# KiCad board jetson-agx-thor-baseboard.kicad_pcb (continued)
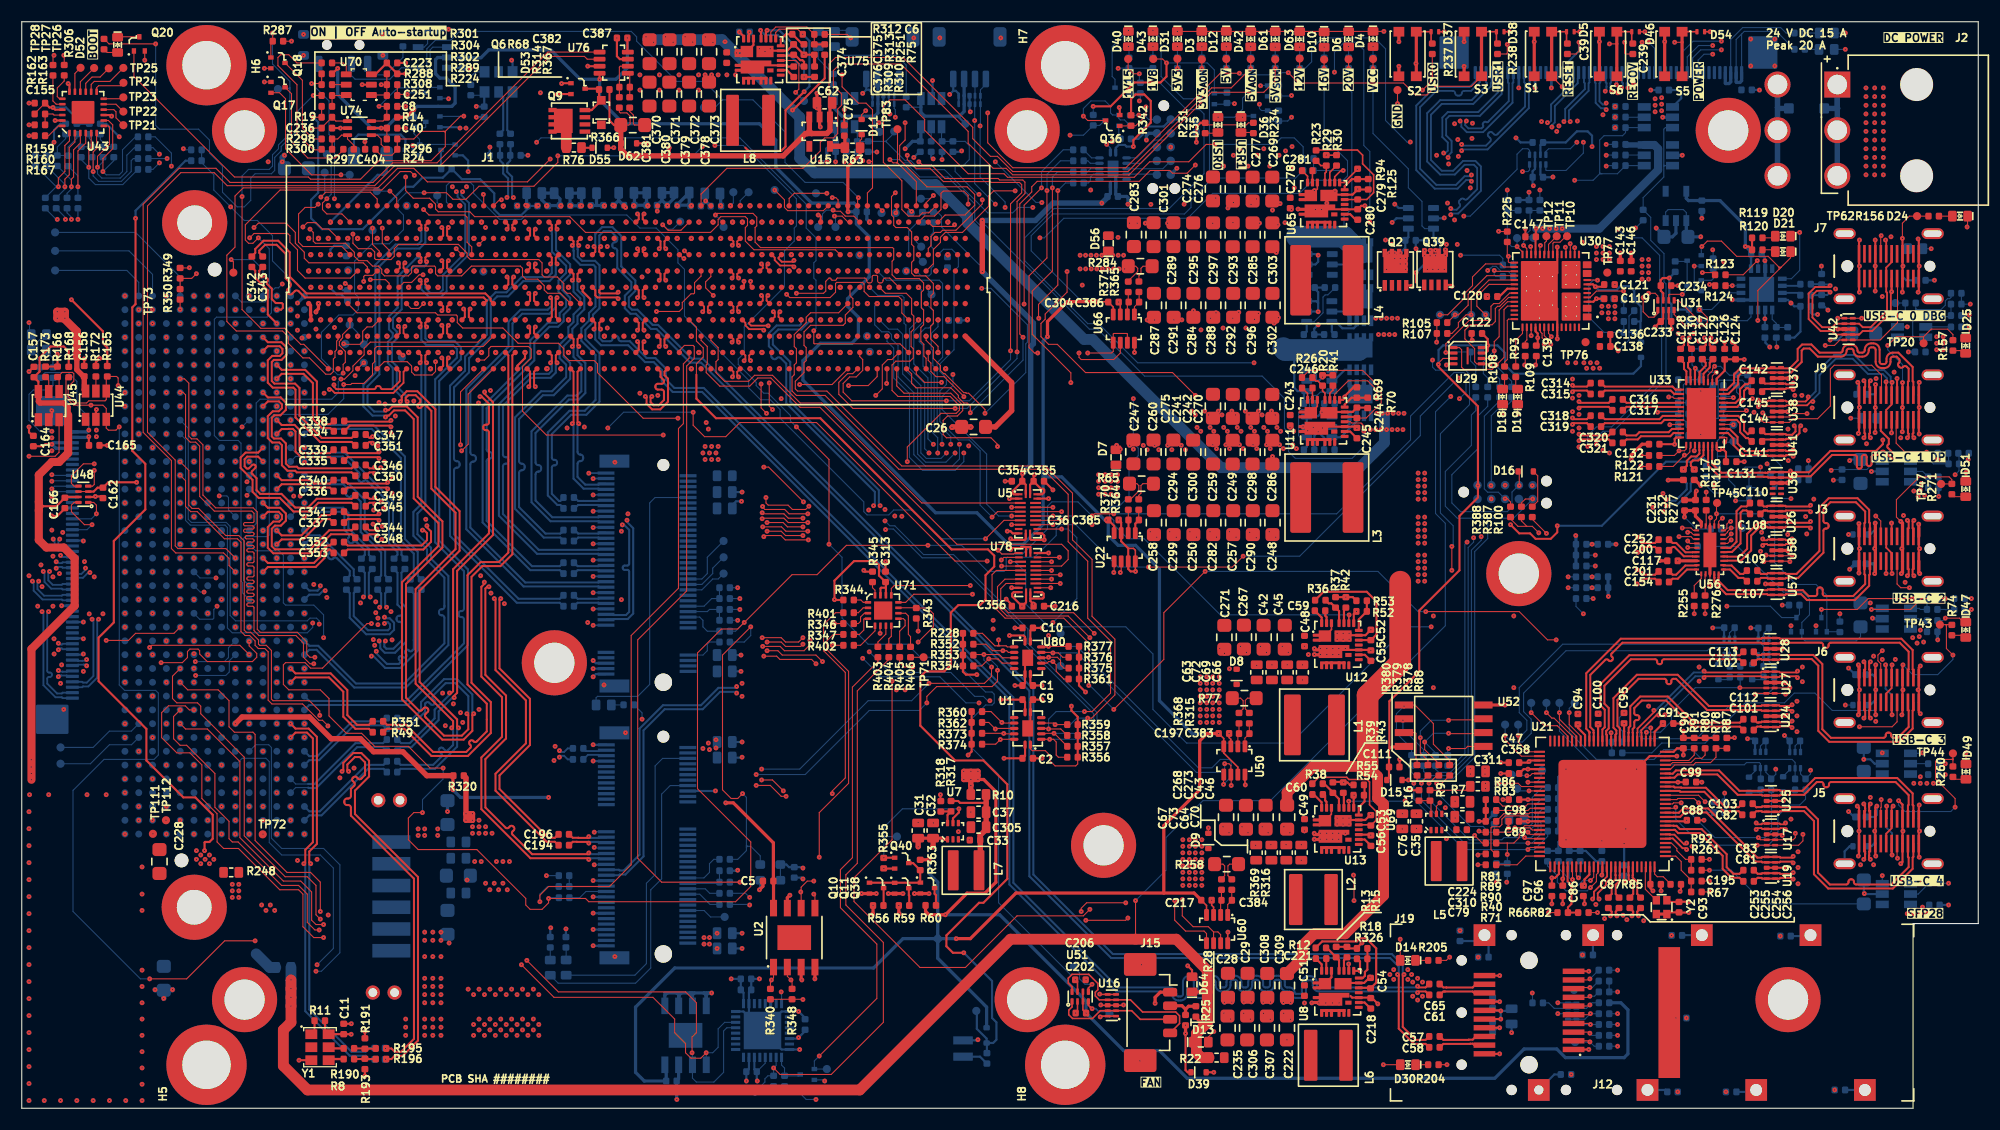
[diagram p0: board, top side]
## Routing (per net, layer and track width the routed paths; a pad name or vN(x,y) marks a point on that pad's centre or on a via; arc(x,y) is an arc through that point) (continued)
  Bottom w0.17: v1(2.89,52.39) 3.02,52.26 3.02,51.66 3.36,51.32 4.13,51.32 4.21,51.25 J11.28
/CSI/CAM1.CSI0_D0+: length 106.5
  Top w0.17: J1.E42 65.83,73.79 65.83,73.44 v1(65.95,73.31)
  In2.Cu w0.125: v1(65.95,73.31) 65.76,73.5 65.76,73.68 65.42,74.02 64.92,74.02 64.52,73.62 64.02,73.62 62.98,74.66 62.98,75.96 62.42,76.52 61.12,76.52 59.62,75.02 57.82,75.02 56.52,76.32 53.32,76.32 52.12,75.12 49.72,75.12 49.57,75.27 arc(49.54,75.34) 49.57,75.42 50.05,75.9 arc(50.14,76.13) 50.05,76.37 49.97,76.44 arc(49.73,76.54) 49.5,76.44 48.48,75.43 arc(48.41,75.4) 48.33,75.43 48.25,75.51 arc(48.22,75.58) 48.25,75.66 48.48,75.89 arc(48.58,76.12) 48.48,76.36 48.42,76.42 46.02,76.42 45.67,76.07 45.16,76.07 arc(44.92,75.98) 44.82,75.74 44.82,75.47 arc(44.79,75.39) 44.72,75.36 44.61,75.36 arc(44.53,75.39) 44.5,75.47 44.5,75.74 arc(44.4,75.98) 44.17,76.07 43.82,76.42 41.86,76.42 arc(41.62,76.33) 41.52,76.09 41.52,75.47 arc(41.49,75.39) 41.42,75.36 41.31,75.36 arc(41.23,75.39) 41.2,75.47 41.2,76.49 arc(41.11,76.7) 40.9,76.79 40.72,76.79 arc(40.51,76.7) 40.42,76.49 40.42,75.97 arc(40.39,75.89) 40.32,75.86 40.21,75.86 arc(40.13,75.89) 40.1,75.97 40.1,76.55 arc(40,76.79) 39.77,76.89 39.66,76.89 arc(39.42,76.79) 39.32,76.55 39.32,76.53 arc(39.29,76.45) 39.22,76.42 39.11,76.42 arc(39.03,76.45) 39,76.53 39,76.65 arc(38.9,76.89) 38.67,76.99 38.56,76.99 arc(38.32,76.89) 38.22,76.65 38.22,76.53 arc(38.19,76.45) 38.12,76.42 38.02,76.42 37.32,75.72 36.52,75.72 35.72,76.52 33.39,76.52 32.99,76.92 31.98,76.92 arc(31.91,76.95) 31.87,77.03 31.87,77.1 arc(31.78,77.34) 31.54,77.44 31.43,77.44 arc(31.2,77.34) 31.1,77.1 31.1,77.03 arc(31.07,76.95) 30.99,76.92 30.9,76.92 30.5,76.52 26.78,76.52 arc(26.57,76.44) 26.48,76.23 arc(26.46,76.18) 26.42,76.16 26.23,76.16 arc(26.18,76.18) 26.16,76.23 26.16,76.59 arc(26.07,76.8) 25.87,76.89 25.68,76.89 arc(25.47,76.8) 25.38,76.59 arc(25.36,76.54) 25.32,76.52 25.22,76.52 24.82,76.12 arc(24.73,75.89) 24.82,75.65 25.3,75.18 arc(25.33,75.1) 25.3,75.02 25.22,74.95 arc(25.14,74.92) 25.07,74.95 24.59,75.42 arc(24.36,75.52) 24.12,75.42 24.06,75.36 24.06,72.26 23.52,71.72 8.87,71.72 6.41,69.26 6.41,68.93 4.16,66.68 4.16,52.96 4.46,52.66 4.46,50.66 3.91,50.11 3.36,50.11 v1(3.17,50.3)
  Bottom w0.17: v1(3.17,50.3) 3.29,50.17 3.69,50.17 3.76,50.25 J11.26
/CSI/CAM1.CSI0_D0-: length 106.5
  Top w0.17: v1(65.35,73.31) 65.47,73.44 65.47,73.79 J1.E41
  In2.Cu w0.125: v1(65.35,73.31) 65.54,73.5 65.54,73.58 65.32,73.8 65.02,73.8 64.62,73.4 63.92,73.4 62.76,74.56 62.76,75.86 62.32,76.3 61.83,76.3 arc(61.74,76.26) 61.71,76.18 61.71,76.13 arc(61.67,76.04) 61.59,76.01 61.53,76.01 arc(61.44,76.04) 61.41,76.13 61.41,76.18 arc(61.37,76.26) 61.29,76.3 61.22,76.3 59.72,74.8 57.72,74.8 56.42,76.1 53.42,76.1 52.22,74.9 49.62,74.9 49.41,75.11 arc(49.31,75.34) 49.41,75.58 49.89,76.05 arc(49.92,76.13) 49.89,76.21 49.81,76.28 arc(49.73,76.32) 49.66,76.28 48.64,75.27 arc(48.41,75.17) 48.17,75.27 48.09,75.35 arc(48,75.58) 48.09,75.82 48.32,76.05 arc(48.35,76.12) 48.32,76.2 46.12,76.2 45.77,75.85 45.16,75.85 arc(45.08,75.82) 45.05,75.74 45.05,75.47 arc(44.95,75.23) 44.72,75.14 44.61,75.14 arc(44.37,75.23) 44.27,75.47 44.27,75.74 arc(44.24,75.82) 44.17,75.85 44.07,75.85 43.72,76.2 41.86,76.2 arc(41.78,76.17) 41.75,76.09 41.75,75.47 arc(41.65,75.23) 41.42,75.14 41.31,75.14 arc(41.07,75.23) 40.97,75.47 40.97,76.49 arc(40.95,76.54) 40.9,76.56 40.72,76.56 arc(40.67,76.54) 40.65,76.49 40.65,75.97 arc(40.55,75.73) 40.32,75.64 40.21,75.64 arc(39.97,75.73) 39.87,75.97 39.87,76.55 arc(39.84,76.63) 39.77,76.66 39.66,76.66 arc(39.58,76.63) 39.55,76.55 39.55,76.53 arc(39.45,76.29) 39.22,76.2 39.11,76.2 arc(38.87,76.29) 38.77,76.53 38.77,76.65 arc(38.74,76.73) 38.67,76.76 38.56,76.76 arc(38.48,76.73) 38.45,76.65 38.45,76.53 arc(38.35,76.29) 38.12,76.2 37.42,75.5 36.42,75.5 35.62,76.3 33.3,76.3 32.9,76.7 31.98,76.7 arc(31.75,76.79) 31.65,77.03 31.65,77.1 arc(31.62,77.18) 31.54,77.21 31.43,77.21 arc(31.36,77.18) 31.32,77.1 31.32,77.03 arc(31.23,76.79) 30.99,76.7 30.59,76.3 26.78,76.3 arc(26.73,76.28) 26.71,76.23 arc(26.62,76.02) 26.42,75.94 26.23,75.94 arc(26.02,76.02) 25.93,76.23 25.93,76.59 arc(25.91,76.64) 25.87,76.66 25.68,76.66 arc(25.63,76.64) 25.61,76.59 arc(25.52,76.38) 25.32,76.3 24.98,75.96 arc(24.95,75.89) 24.98,75.81 25.46,75.34 arc(25.55,75.1) 25.46,74.87 25.38,74.79 arc(25.14,74.69) 24.91,74.79 24.43,75.26 arc(24.36,75.29) 24.28,75.26 24.28,72.16 23.62,71.5 8.97,71.5 6.63,69.16 6.63,68.83 4.38,66.58 4.38,53.06 4.68,52.76 4.68,50.56 4.01,49.89 3.36,49.89 v1(3.17,49.7)
  Bottom w0.17: J11.25 3.76,49.75 3.69,49.82 3.29,49.82 v1(3.17,49.7)
/CSI/CAM1.CSI0_D1+: length 110.4
  Top w0.17: J1.E39 63.12,73.79 63.12,73.44 v1(63.25,73.31)
  In2.Cu w0.125: v1(5.87,49.71) 6.11,49.71 6.26,49.86 6.26,52.66 5.46,53.46 5.46,66.66 9.22,70.42 26.22,70.42 26.43,70.63 26.43,74.38 26.95,74.9 29.5,74.9 arc(29.73,74.8) 29.83,74.57 29.83,74.1 arc(29.86,74.03) 29.94,74 30.05,74 arc(30.13,74.03) 30.16,74.1 30.16,75.02 arc(30.25,75.25) 30.49,75.35 30.6,75.35 arc(30.83,75.25) 30.93,75.02 30.93,74.1 arc(30.96,74.03) 31.04,74 31.15,74 arc(31.23,74.03) 31.26,74.1 31.26,74.57 arc(31.35,74.8) 31.59,74.9 31.7,74.9 arc(31.93,74.8) 32.03,74.57 32.03,74.1 arc(32.06,74.03) 32.14,74 32.25,74 arc(32.33,74.03) 32.36,74.1 32.36,75.32 arc(32.45,75.55) 32.69,75.65 32.8,75.65 arc(33.03,75.55) 33.13,75.32 33.13,75.01 arc(33.16,74.93) 33.24,74.9 33.35,74.9 arc(33.43,74.93) 33.46,75.01 33.46,75.67 arc(33.55,75.9) 33.79,76 33.9,76 arc(34.13,75.9) 34.23,75.67 34.23,74.1 arc(34.26,74.03) 34.34,74 34.45,74 arc(34.53,74.03) 34.56,74.1 34.56,75.12 arc(34.65,75.35) 34.89,75.45 35,75.45 arc(35.23,75.35) 35.33,75.12 35.33,74.1 arc(35.36,74.03) 35.44,74 35.55,74 arc(35.63,74.03) 35.66,74.1 35.66,74.96 arc(35.74,75.16) 35.94,75.25 36.14,75.25 arc(36.35,75.16) 36.43,74.96 arc(36.45,74.92) 36.49,74.9 36.69,74.9 arc(36.73,74.92) 36.75,74.96 arc(36.83,75.16) 37.04,75.25 37.24,75.25 arc(37.44,75.16) 37.53,74.96 arc(37.54,74.92) 37.59,74.9 44.79,74.9 45.13,74.56 45.13,73.92 45.53,73.52 arc(45.73,73.44) 45.81,73.24 arc(45.83,73.19) 45.88,73.17 46.08,73.17 arc(46.13,73.19) 46.14,73.24 46.14,74.24 arc(46.24,74.47) 46.48,74.57 46.59,74.57 arc(46.82,74.47) 46.92,74.24 46.92,73.13 arc(46.95,73.05) 47.03,73.02 47.14,73.02 arc(47.21,73.05) 47.24,73.13 47.24,73.64 arc(47.34,73.87) 47.58,73.97 47.69,73.97 arc(47.92,73.87) 48.02,73.64 48.02,73.08 arc(48.05,73) 48.13,72.97 48.24,72.97 arc(48.31,73) 48.34,73.08 48.34,73.19 arc(48.44,73.43) 48.68,73.52 48.79,73.52 arc(49.02,73.43) 49.12,73.19 49.12,72.63 arc(49.15,72.55) 49.23,72.52 49.34,72.52 arc(49.41,72.55) 49.44,72.63 49.44,73.19 arc(49.54,73.43) 49.78,73.52 49.89,73.52 arc(49.96,73.55) 49.99,73.63 49.99,74.29 arc(50.09,74.52) 50.33,74.62 50.44,74.62 arc(50.67,74.52) 50.77,74.29 50.77,73.03 arc(50.8,72.95) 50.88,72.92 50.99,72.92 arc(51.06,72.95) 51.09,73.03 51.09,73.19 arc(51.19,73.43) 51.43,73.52 51.92,73.52 53.22,74.82 53.77,74.82 54.57,74.02 55.02,74.02 55.47,73.57 arc(55.7,73.48) 55.8,73.24 55.8,73.23 arc(55.83,73.15) 55.91,73.12 56.02,73.12 arc(56.09,73.15) 56.12,73.23 56.12,73.24 arc(56.22,73.48) 56.46,73.57 57.72,73.57 58.2,74.05 59.22,74.05 59.63,73.64 60.64,73.64 60.86,73.86 60.86,74.26 61.32,74.72 62.12,74.72 63.06,73.78 63.06,73.5 v1(63.25,73.31)
  Bottom w0.17: J11.24 5.11,49.25 5.18,49.18 5.49,49.18 5.87,49.55 v1(5.87,49.71)
/CSI/CAM1.CSI0_D1-: length 110.4
  Top w0.17: v1(62.65,73.31) 62.78,73.44 62.78,73.79 J1.E38
  In2.Cu w0.125: v1(62.65,73.31) 62.84,73.5 62.84,73.68 62.02,74.5 61.42,74.5 61.08,74.16 61.08,73.47 61.02,73.41 59.54,73.41 59.12,73.82 58.29,73.82 57.82,73.35 56.46,73.35 arc(56.38,73.32) 56.35,73.24 56.35,73.23 arc(56.25,73) 56.02,72.9 55.91,72.9 arc(55.67,73) 55.57,73.23 55.57,73.24 arc(55.54,73.32) 55.47,73.35 55.37,73.35 54.92,73.8 54.47,73.8 53.67,74.6 53.32,74.6 52.02,73.3 51.43,73.3 arc(51.35,73.27) 51.32,73.19 51.32,73.03 arc(51.22,72.8) 50.99,72.7 50.88,72.7 arc(50.64,72.8) 50.54,73.03 50.54,74.29 arc(50.51,74.37) 50.44,74.4 50.33,74.4 arc(50.25,74.37) 50.22,74.29 50.22,73.63 arc(50.12,73.39) 49.89,73.3 49.78,73.3 arc(49.7,73.27) 49.67,73.19 49.67,72.63 arc(49.57,72.4) 49.34,72.3 49.23,72.3 arc(48.99,72.4) 48.89,72.63 48.89,73.19 arc(48.86,73.27) 48.79,73.3 48.68,73.3 arc(48.6,73.27) 48.57,73.19 48.57,73.08 arc(48.47,72.85) 48.24,72.75 48.13,72.75 arc(47.89,72.85) 47.79,73.08 47.79,73.64 arc(47.76,73.72) 47.69,73.75 47.58,73.75 arc(47.5,73.72) 47.47,73.64 47.47,73.13 arc(47.37,72.9) 47.14,72.8 47.03,72.8 arc(46.79,72.9) 46.69,73.13 46.69,74.24 arc(46.66,74.32) 46.59,74.35 46.48,74.35 arc(46.4,74.32) 46.37,74.24 46.37,73.24 arc(46.29,73.03) 46.08,72.95 45.88,72.95 arc(45.67,73.03) 45.59,73.24 arc(45.57,73.28) 45.53,73.3 45.43,73.3 44.91,73.82 44.91,74.46 44.7,74.67 37.59,74.67 arc(37.38,74.76) 37.3,74.96 arc(37.28,75) 37.24,75.02 37.04,75.02 arc(36.99,75) 36.98,74.96 arc(36.89,74.76) 36.69,74.67 36.49,74.67 arc(36.29,74.76) 36.21,74.96 arc(36.19,75) 36.14,75.02 35.94,75.02 arc(35.9,75) 35.88,74.96 35.88,74.1 arc(35.78,73.87) 35.55,73.77 35.44,73.77 arc(35.2,73.87) 35.11,74.1 35.11,75.12 arc(35.08,75.19) 35,75.22 34.89,75.22 arc(34.81,75.19) 34.78,75.12 34.78,74.1 arc(34.68,73.87) 34.45,73.77 34.34,73.77 arc(34.1,73.87) 34.01,74.1 34.01,75.67 arc(33.98,75.74) 33.9,75.77 33.79,75.77 arc(33.71,75.74) 33.68,75.67 33.68,75.01 arc(33.58,74.77) 33.35,74.67 33.24,74.67 arc(33,74.77) 32.91,75.01 32.91,75.32 arc(32.88,75.39) 32.8,75.42 32.69,75.42 arc(32.61,75.39) 32.58,75.32 32.58,74.1 arc(32.48,73.87) 32.25,73.77 32.14,73.77 arc(31.9,73.87) 31.81,74.1 31.81,74.57 arc(31.78,74.64) 31.7,74.67 31.59,74.67 arc(31.51,74.64) 31.48,74.57 31.48,74.1 arc(31.38,73.87) 31.15,73.77 31.04,73.77 arc(30.8,73.87) 30.71,74.1 30.71,75.02 arc(30.68,75.09) 30.6,75.12 30.49,75.12 arc(30.41,75.09) 30.38,75.02 30.38,74.1 arc(30.28,73.87) 30.05,73.77 29.94,73.77 arc(29.7,73.87) 29.61,74.1 29.61,74.57 arc(29.58,74.64) 29.5,74.67 27.04,74.67 26.66,74.29 26.66,70.54 26.32,70.2 24.59,70.2 24.38,69.99 24.22,69.99 24.01,70.2 9.32,70.2 5.68,66.56 5.68,53.56 6.48,52.76 6.48,49.76 6.27,49.55 v1(6.27,49.31)
  Bottom w0.17: J11.23 5.11,48.75 5.18,48.83 5.63,48.83 6.11,49.31 v1(6.27,49.31)
/CSI/CAM1.CSI1_D0+: length 110.3
  Top w0.17: v1(65.35,76.41) 65.47,76.54 65.47,76.79 J1.G41
  In2.Cu w0.125: v1(2.56,49.41) 2.38,49.58 2.38,50.97 2.62,51.21 2.62,51.52 2.38,51.76 2.38,67.56 8.82,74 21.12,74 21.68,74.56 21.68,75.96 25.02,79.3 26.77,79.3 arc(26.86,79.26) 26.89,79.18 arc(26.92,79.1) 27.01,79.06 27.17,79.06 arc(27.26,79.1) 27.29,79.18 arc(27.32,79.26) 27.41,79.3 27.57,79.3 arc(27.69,79.25) 27.73,79.14 27.73,79.14 arc(27.78,79.02) 27.89,78.98 27.97,78.98 arc(28.09,79.02) 28.13,79.14 28.13,79.14 arc(28.18,79.25) 28.29,79.3 29.08,79.3 arc(29.13,79.28) 29.15,79.24 arc(29.23,79.03) 29.43,78.95 29.63,78.95 arc(29.84,79.03) 29.92,79.24 arc(29.94,79.28) 29.98,79.3 30.18,79.3 arc(30.26,79.27) 30.29,79.19 30.29,78.58 arc(30.39,78.34) 30.62,78.25 30.73,78.25 arc(30.97,78.34) 31.07,78.58 31.07,79.19 arc(31.1,79.27) 31.17,79.3 31.28,79.3 arc(31.33,79.28) 31.35,79.24 arc(31.43,79.03) 31.63,78.95 31.83,78.95 arc(32.04,79.03) 32.12,79.24 arc(32.14,79.28) 32.18,79.3 32.38,79.3 arc(32.46,79.27) 32.49,79.19 32.49,78.58 arc(32.59,78.35) 32.82,78.25 32.93,78.25 arc(33.17,78.35) 33.27,78.58 33.27,79.19 arc(33.3,79.27) 33.37,79.3 33.48,79.3 arc(33.56,79.27) 33.59,79.19 33.59,78.58 arc(33.69,78.35) 33.92,78.25 34.03,78.25 arc(34.27,78.35) 34.37,78.58 34.37,80.24 arc(34.4,80.31) 34.47,80.34 34.58,80.34 arc(34.66,80.31) 34.69,80.24 34.69,79.18 arc(34.79,78.95) 35.02,78.85 35.13,78.85 arc(35.37,78.95) 35.47,79.18 35.47,79.19 arc(35.5,79.27) 35.57,79.3 35.68,79.3 arc(35.73,79.28) 35.75,79.23 arc(35.84,79.02) 36.05,78.93 36.23,78.93 arc(36.44,79.02) 36.53,79.23 arc(36.55,79.28) 36.6,79.3 36.78,79.3 arc(36.83,79.28) 36.85,79.24 arc(36.93,79.03) 37.13,78.95 37.33,78.95 arc(37.54,79.03) 37.62,79.24 arc(37.64,79.28) 37.68,79.3 38.32,79.3 38.38,79.36 arc(38.46,79.39) 38.53,79.36 38.88,79.01 arc(39.12,78.92) 39.36,79.01 39.43,79.09 arc(39.53,79.33) 39.43,79.56 39.08,79.91 arc(39.05,79.99) 39.08,80.06 39.52,80.5 arc(39.75,80.59) 39.85,80.83 arc(39.88,80.9) 39.95,80.93 40.07,80.93 arc(40.14,80.9) 40.17,80.83 arc(40.27,80.59) 40.5,80.5 40.62,80.5 arc(40.85,80.59) 40.95,80.83 40.95,81.43 arc(40.98,81.5) 41.06,81.53 41.17,81.53 arc(41.24,81.5) 41.27,81.43 41.27,80.83 arc(41.37,80.59) 41.61,80.5 42.32,80.5 43.42,79.4 45.92,79.4 46.42,79.9 47.42,79.9 48.02,79.3 49.82,79.3 51.32,80.8 58.42,80.8 59.92,79.3 62.09,79.3 arc(62.17,79.26) 62.21,79.18 62.21,79.07 arc(62.25,78.98) 62.33,78.95 62.39,78.95 arc(62.47,78.98) 62.51,79.07 62.51,79.18 arc(62.55,79.26) 62.63,79.3 63.72,79.3 64.56,78.46 64.56,77.86 64.92,77.5 65.32,77.5 65.54,77.28 65.54,76.6 v1(65.35,76.41)
  Bottom w0.17: J11.22 3.76,48.25 3.68,48.18 2.85,48.18 2.44,48.58 2.44,49.3 v1(2.56,49.41)
/CSI/CAM1.CSI1_D0-: length 110.3
  Top w0.17: v1(65.95,76.41) 65.83,76.54 65.83,76.79 J1.G42
  In2.Cu w0.125: v1(65.95,76.41) 65.76,76.6 65.76,77.38 65.42,77.72 65.02,77.72 64.78,77.96 64.78,78.56 63.82,79.52 60.02,79.52 58.52,81.02 51.22,81.02 49.72,79.52 48.12,79.52 47.52,80.12 46.32,80.12 45.82,79.62 43.52,79.62 42.42,80.72 41.61,80.72 arc(41.53,80.75) 41.5,80.83 41.5,81.43 arc(41.4,81.66) 41.17,81.76 41.06,81.76 arc(40.82,81.66) 40.72,81.43 40.72,80.83 arc(40.69,80.75) 40.62,80.72 40.5,80.72 arc(40.43,80.75) 40.4,80.83 arc(40.3,81.06) 40.07,81.16 39.95,81.16 arc(39.72,81.06) 39.62,80.83 arc(39.59,80.75) 39.52,80.72 39.42,80.72 38.92,80.22 arc(38.83,79.99) 38.92,79.75 39.27,79.4 arc(39.31,79.33) 39.27,79.25 39.2,79.17 arc(39.12,79.14) 39.04,79.17 38.69,79.52 arc(38.46,79.62) 38.22,79.52 37.68,79.52 arc(37.48,79.44) 37.4,79.24 arc(37.38,79.19) 37.33,79.17 37.13,79.17 arc(37.09,79.19) 37.07,79.24 arc(36.99,79.44) 36.78,79.52 36.6,79.52 arc(36.39,79.44) 36.3,79.23 arc(36.28,79.18) 36.23,79.16 36.05,79.16 arc(36,79.18) 35.98,79.23 arc(35.89,79.44) 35.68,79.52 35.57,79.52 arc(35.34,79.43) 35.24,79.19 35.24,79.18 arc(35.21,79.11) 35.13,79.08 35.02,79.08 arc(34.95,79.11) 34.92,79.18 34.92,80.24 arc(34.82,80.47) 34.58,80.57 34.47,80.57 arc(34.24,80.47) 34.14,80.24 34.14,78.58 arc(34.11,78.51) 34.03,78.48 33.92,78.48 arc(33.85,78.51) 33.82,78.58 33.82,79.19 arc(33.72,79.43) 33.48,79.52 33.37,79.52 arc(33.14,79.43) 33.04,79.19 33.04,78.58 arc(33.01,78.51) 32.93,78.48 32.82,78.48 arc(32.75,78.51) 32.72,78.58 32.72,79.19 arc(32.62,79.43) 32.38,79.52 32.18,79.52 arc(31.98,79.44) 31.9,79.24 arc(31.88,79.19) 31.83,79.17 31.63,79.17 arc(31.59,79.19) 31.57,79.24 arc(31.49,79.44) 31.28,79.52 31.17,79.52 arc(30.94,79.43) 30.84,79.19 30.84,78.58 arc(30.81,78.5) 30.73,78.47 30.62,78.47 arc(30.55,78.5) 30.52,78.58 30.52,79.19 arc(30.42,79.43) 30.18,79.52 29.98,79.52 arc(29.78,79.44) 29.7,79.24 arc(29.68,79.19) 29.63,79.17 29.43,79.17 arc(29.39,79.19) 29.37,79.24 arc(29.29,79.44) 29.08,79.52 24.92,79.52 21.46,76.06 21.46,74.66 21.02,74.22 8.72,74.22 2.16,67.66 2.16,49.58 v1(1.98,49.41)
  Bottom w0.17: J11.21 3.76,47.75 3.68,47.83 2.71,47.83 2.09,48.44 2.09,49.3 v1(1.98,49.41)
/CSI/CAM1.CSI1_D1+: length 110.3
  Top w0.17: J1.J41 65.47,79.79 65.47,79.54 65.38,79.44 v1(65.37,79.44)
  In2.Cu w0.125: v1(65.37,79.44) 65.38,79.44 65.54,79.6 65.54,80.28 65.12,80.7 62.72,80.7 arc(62.62,80.66) 62.58,80.56 62.58,80.5 arc(62.54,80.4) 62.44,80.36 62.37,80.36 arc(62.27,80.4) 62.23,80.5 62.23,80.56 arc(62.19,80.66) 62.09,80.7 61.42,80.7 60.02,82.1 59.51,82.1 57.91,83.7 55.41,83.7 55.07,83.36 55.07,82.56 54.61,82.1 35.03,82.1 arc(34.79,82.19) 34.7,82.43 34.7,82.92 arc(34.67,83) 34.59,83.03 34.48,83.03 arc(34.4,83) 34.37,82.92 34.37,81.8 arc(34.27,81.56) 34.04,81.46 33.93,81.46 arc(33.69,81.56) 33.6,81.8 33.6,82.92 arc(33.57,83) 33.49,83.03 33.38,83.03 arc(33.3,83) 33.27,82.92 33.27,82.43 arc(33.17,82.19) 32.94,82.1 32.83,82.1 arc(32.59,82.19) 32.5,82.43 32.5,82.47 arc(32.47,82.55) 32.39,82.58 32.28,82.58 arc(32.2,82.55) 32.17,82.47 32.17,81.95 arc(32.07,81.71) 31.84,81.61 31.73,81.61 arc(31.49,81.71) 31.4,81.95 31.4,81.99 arc(31.37,82.07) 31.29,82.1 31.18,82.1 arc(30.94,82.19) 30.85,82.43 30.85,82.92 arc(30.82,83) 30.74,83.03 30.63,83.03 arc(30.55,83) 30.52,82.92 30.52,81.35 arc(30.42,81.11) 30.19,81.01 30.08,81.01 arc(29.84,81.11) 29.75,81.35 29.75,82.92 arc(29.72,83) 29.64,83.03 29.53,83.03 arc(29.45,83) 29.42,82.92 29.42,82.43 arc(29.32,82.19) 29.09,82.1 26.17,82.1 19.77,75.7 8.92,75.7 1.38,68.16 1.38,51.21 arc(1.42,51.12) 1.5,51.09 1.81,51.09 arc(1.9,51.05) 1.93,50.97 1.93,50.91 arc(1.9,50.82) 1.81,50.79 1.5,50.79 arc(1.42,50.75) 1.38,50.67 1.38,48.68 v1(1.56,48.51)
  Bottom w0.17: v1(1.56,48.51) 1.44,48.4 1.44,47.78 2.05,47.18 3.68,47.18 3.76,47.25 J11.20
/CSI/CAM1.CSI1_D1-: length 110.3
  Top w0.17: J1.J42 65.83,79.79 65.83,79.54 v1(65.95,79.41)
  In2.Cu w0.125: v1(0.98,48.51) 1.16,48.68 1.16,68.26 8.82,75.92 19.67,75.92 26.07,82.32 29.09,82.32 arc(29.17,82.35) 29.2,82.43 29.2,82.92 arc(29.29,83.16) 29.53,83.26 29.64,83.26 arc(29.87,83.16) 29.97,82.92 29.97,81.35 arc(30,81.27) 30.08,81.24 30.19,81.24 arc(30.27,81.27) 30.3,81.35 30.3,82.92 arc(30.39,83.16) 30.63,83.26 30.74,83.26 arc(30.97,83.16) 31.07,82.92 31.07,82.43 arc(31.1,82.35) 31.18,82.32 31.29,82.32 arc(31.52,82.23) 31.62,81.99 31.62,81.95 arc(31.65,81.87) 31.73,81.84 31.84,81.84 arc(31.92,81.87) 31.95,81.95 31.95,82.47 arc(32.04,82.71) 32.28,82.81 32.39,82.81 arc(32.62,82.71) 32.72,82.47 32.72,82.43 arc(32.75,82.35) 32.83,82.32 32.94,82.32 arc(33.02,82.35) 33.05,82.43 33.05,82.92 arc(33.14,83.16) 33.38,83.26 33.49,83.26 arc(33.72,83.16) 33.82,82.92 33.82,81.8 arc(33.85,81.72) 33.93,81.69 34.04,81.69 arc(34.12,81.72) 34.15,81.8 34.15,82.92 arc(34.24,83.16) 34.48,83.26 34.59,83.26 arc(34.82,83.16) 34.92,82.92 34.92,82.43 arc(34.95,82.35) 35.03,82.32 54.51,82.32 54.85,82.66 54.85,83.46 55.31,83.92 58.01,83.92 59.61,82.32 60.12,82.32 61.52,80.92 65.22,80.92 65.76,80.38 65.76,79.6 v1(65.95,79.41)
  Bottom w0.17: J11.19 3.76,46.75 3.68,46.83 1.91,46.83 1.09,47.64 1.09,48.4 v1(0.98,48.51)
/CSI/CAM2.CSI4_CLK+: length 95.7
  In2.Cu w0.125: v1(71.7,75.56) 72.04,75.22 72.04,74.98 72.42,74.6 104.63,74.6 arc(104.71,74.57) 104.74,74.49 104.74,74.06 arc(104.83,73.82) 105.07,73.73 105.18,73.73 arc(105.41,73.82) 105.51,74.06 105.51,74.49 arc(105.54,74.57) 105.62,74.6 106.16,74.6 106.23,74.66 arc(106.3,74.69) 106.38,74.66 106.69,74.36 arc(106.92,74.26) 107.16,74.36 107.23,74.44 arc(107.33,74.67) 107.23,74.91 106.65,75.49 arc(106.63,75.54) 106.65,75.59 106.78,75.72 arc(106.83,75.74) 106.88,75.72 107.46,75.14 arc(107.7,75.04) 107.93,75.14 108.01,75.21 arc(108.11,75.45) 108.01,75.68 107.42,76.27 arc(107.4,76.32) 107.42,76.37 107.56,76.5 arc(107.61,76.52) 107.65,76.5 108.24,75.91 arc(108.48,75.82) 108.71,75.91 108.79,75.99 arc(108.89,76.23) 108.79,76.46 108.2,77.05 arc(108.18,77.1) 108.2,77.15 108.34,77.28 arc(108.38,77.3) 108.43,77.28 109.02,76.69 arc(109.25,76.59) 109.49,76.69 109.57,76.77 arc(109.66,77) 109.57,77.24 108.98,77.83 arc(108.96,77.88) 108.98,77.92 109.11,78.06 arc(109.16,78.08) 109.21,78.06 109.8,77.47 arc(110.03,77.37) 110.27,77.47 110.34,77.55 arc(110.44,77.78) 110.34,78.02 109.76,78.61 arc(109.74,78.65) 109.76,78.7 109.89,78.84 arc(109.94,78.86) 109.99,78.84 110.57,78.25 arc(110.81,78.15) 111.04,78.25 111.12,78.33 arc(111.22,78.56) 111.12,78.8 110.53,79.38 arc(110.51,79.43) 110.53,79.48 110.67,79.61 arc(110.72,79.63) 110.76,79.61 111.35,79.03 arc(111.59,78.93) 111.82,79.03 111.9,79.1 arc(112,79.34) 111.9,79.57 111.31,80.16 arc(111.29,80.21) 111.31,80.26 111.45,80.39 arc(111.49,80.41) 111.54,80.39 112.13,79.8 arc(112.37,79.71) 112.6,79.8 112.68,79.88 arc(112.78,80.12) 112.68,80.35 112.37,80.66 arc(112.34,80.73) 112.37,80.81 112.45,80.89 119.87,88.31 132.29,88.31 v1(132.47,88.14)
  Bottom w0.17: J10.11 138.73,94.42 138.65,94.34 138.65,92.05 134.85,88.25 132.58,88.25 v1(132.47,88.14)
/CSI/CAM2.CSI4_CLK-: length 95.7
  In2.Cu w0.125: v1(132.47,88.71) 132.29,88.54 119.78,88.54 112.29,81.05 112.21,80.97 arc(112.12,80.73) 112.21,80.5 112.52,80.19 arc(112.55,80.12) 112.52,80.04 112.44,79.96 arc(112.37,79.93) 112.29,79.96 111.7,80.55 arc(111.49,80.64) 111.29,80.55 111.15,80.42 arc(111.07,80.21) 111.15,80 111.74,79.41 arc(111.77,79.34) 111.74,79.26 111.66,79.18 arc(111.59,79.15) 111.51,79.18 110.92,79.77 arc(110.72,79.86) 110.51,79.77 110.38,79.64 arc(110.29,79.43) 110.38,79.22 110.96,78.64 arc(110.99,78.56) 110.96,78.48 110.89,78.41 arc(110.81,78.37) 110.73,78.41 110.15,78.99 arc(109.94,79.08) 109.73,78.99 109.6,78.86 arc(109.51,78.65) 109.6,78.45 110.19,77.86 arc(110.22,77.78) 110.19,77.71 110.11,77.63 arc(110.03,77.6) 109.96,77.63 109.37,78.22 arc(109.16,78.3) 108.95,78.22 108.82,78.08 arc(108.73,77.88) 108.82,77.67 109.41,77.08 arc(109.44,77) 109.41,76.93 109.33,76.85 arc(109.25,76.82) 109.18,76.85 108.59,77.44 arc(108.38,77.52) 108.18,77.44 108.04,77.3 arc(107.96,77.1) 108.04,76.89 108.63,76.3 arc(108.66,76.23) 108.63,76.15 108.55,76.07 arc(108.48,76.04) 108.4,76.07 107.81,76.66 arc(107.61,76.75) 107.4,76.66 107.26,76.53 arc(107.18,76.32) 107.26,76.11 107.85,75.52 arc(107.88,75.45) 107.85,75.37 107.77,75.3 arc(107.7,75.26) 107.62,75.3 107.03,75.88 arc(106.83,75.97) 106.62,75.88 106.49,75.75 arc(106.4,75.54) 106.49,75.34 107.07,74.75 arc(107.11,74.67) 107.07,74.6 107,74.52 arc(106.92,74.49) 106.84,74.52 106.54,74.82 arc(106.3,74.92) 106.07,74.82 105.62,74.82 arc(105.38,74.73) 105.29,74.49 105.29,74.06 arc(105.26,73.98) 105.18,73.95 105.07,73.95 arc(104.99,73.98) 104.96,74.06 104.96,74.49 arc(104.86,74.73) 104.63,74.82 72.52,74.82 72.26,75.08 72.26,75.22 v1(72.6,75.56)
  Bottom w0.17: J10.10 138.23,94.42 138.3,94.34 138.3,92.19 135.74,89.63 arc(135.6,89.57) 135.46,89.63 135.29,89.81 arc(135.14,89.87) 135,89.81 134.93,89.74 arc(134.87,89.59) 134.93,89.45 135.11,89.28 arc(135.17,89.14) 135.11,89 134.71,88.6 132.58,88.6 v1(132.47,88.71)
/CSI/CAM2.CSI4_D0+: length 95.3
  In2.Cu w0.125: v1(132.33,90.86) 132.51,90.69 132.51,90.46 132.2,90.15 119.13,90.15 105.41,76.42 104.13,76.42 arc(104.05,76.45) 104.02,76.53 104.02,77.05 arc(103.92,77.28) 103.69,77.38 103.58,77.38 arc(103.34,77.28) 103.25,77.05 103.25,75.92 arc(103.21,75.84) 103.14,75.81 103.03,75.81 arc(102.95,75.84) 102.92,75.92 102.92,76.85 arc(102.82,77.08) 102.59,77.18 102.48,77.18 arc(102.24,77.08) 102.15,76.85 102.15,75.92 arc(102.11,75.84) 102.04,75.81 101.93,75.81 arc(101.85,75.84) 101.82,75.92 101.82,76.51 arc(101.73,76.74) 101.5,76.83 101.36,76.83 arc(101.14,76.74) 101.05,76.51 101.05,75.92 arc(101.01,75.84) 100.94,75.81 100.83,75.81 arc(100.75,75.84) 100.72,75.92 100.72,76.51 arc(100.63,76.74) 100.4,76.83 100.26,76.83 arc(100.04,76.74) 99.95,76.51 99.95,75.92 arc(99.91,75.84) 99.84,75.81 99.73,75.81 arc(99.65,75.84) 99.62,75.92 99.62,76.51 arc(99.53,76.74) 99.3,76.83 99.16,76.83 arc(98.94,76.74) 98.85,76.51 98.85,75.92 arc(98.81,75.84) 98.74,75.81 98.63,75.81 arc(98.55,75.84) 98.52,75.92 98.52,76.55 arc(98.42,76.78) 98.19,76.88 98.08,76.88 arc(97.84,76.78) 97.75,76.55 97.75,76.53 arc(97.71,76.45) 97.64,76.42 97.53,76.42 arc(97.45,76.45) 97.42,76.53 97.42,76.6 arc(97.32,76.83) 97.09,76.93 96.98,76.93 arc(96.74,76.83) 96.65,76.6 96.65,75.92 arc(96.61,75.84) 96.54,75.81 96.43,75.81 arc(96.35,75.84) 96.32,75.92 96.32,76.09 arc(96.22,76.33) 95.99,76.42 95.88,76.42 arc(95.64,76.33) 95.55,76.09 95.55,75.92 arc(95.51,75.84) 95.44,75.81 95.33,75.81 arc(95.25,75.84) 95.22,75.92 95.22,77.05 arc(95.12,77.28) 94.89,77.38 94.78,77.38 arc(94.54,77.28) 94.45,77.05 94.45,75.92 arc(94.41,75.84) 94.34,75.81 94.23,75.81 arc(94.15,75.84) 94.12,75.92 94.12,77.05 arc(94.02,77.28) 93.79,77.38 93.68,77.38 arc(93.44,77.28) 93.35,77.05 93.35,76.53 arc(93.31,76.45) 93.24,76.42 71.42,76.42 71.16,76.68 71.16,76.72 v1(71.5,77.06)
  Bottom w0.17: J10.8 137.23,94.42 137.15,94.34 137.15,92.55 134.44,89.84 132.95,89.84 132.44,90.34 132.44,90.75 v1(132.33,90.86)
